# Altium PCB FMC_SDR_XFE.PcbDoc (part 3 of 4) (continued)
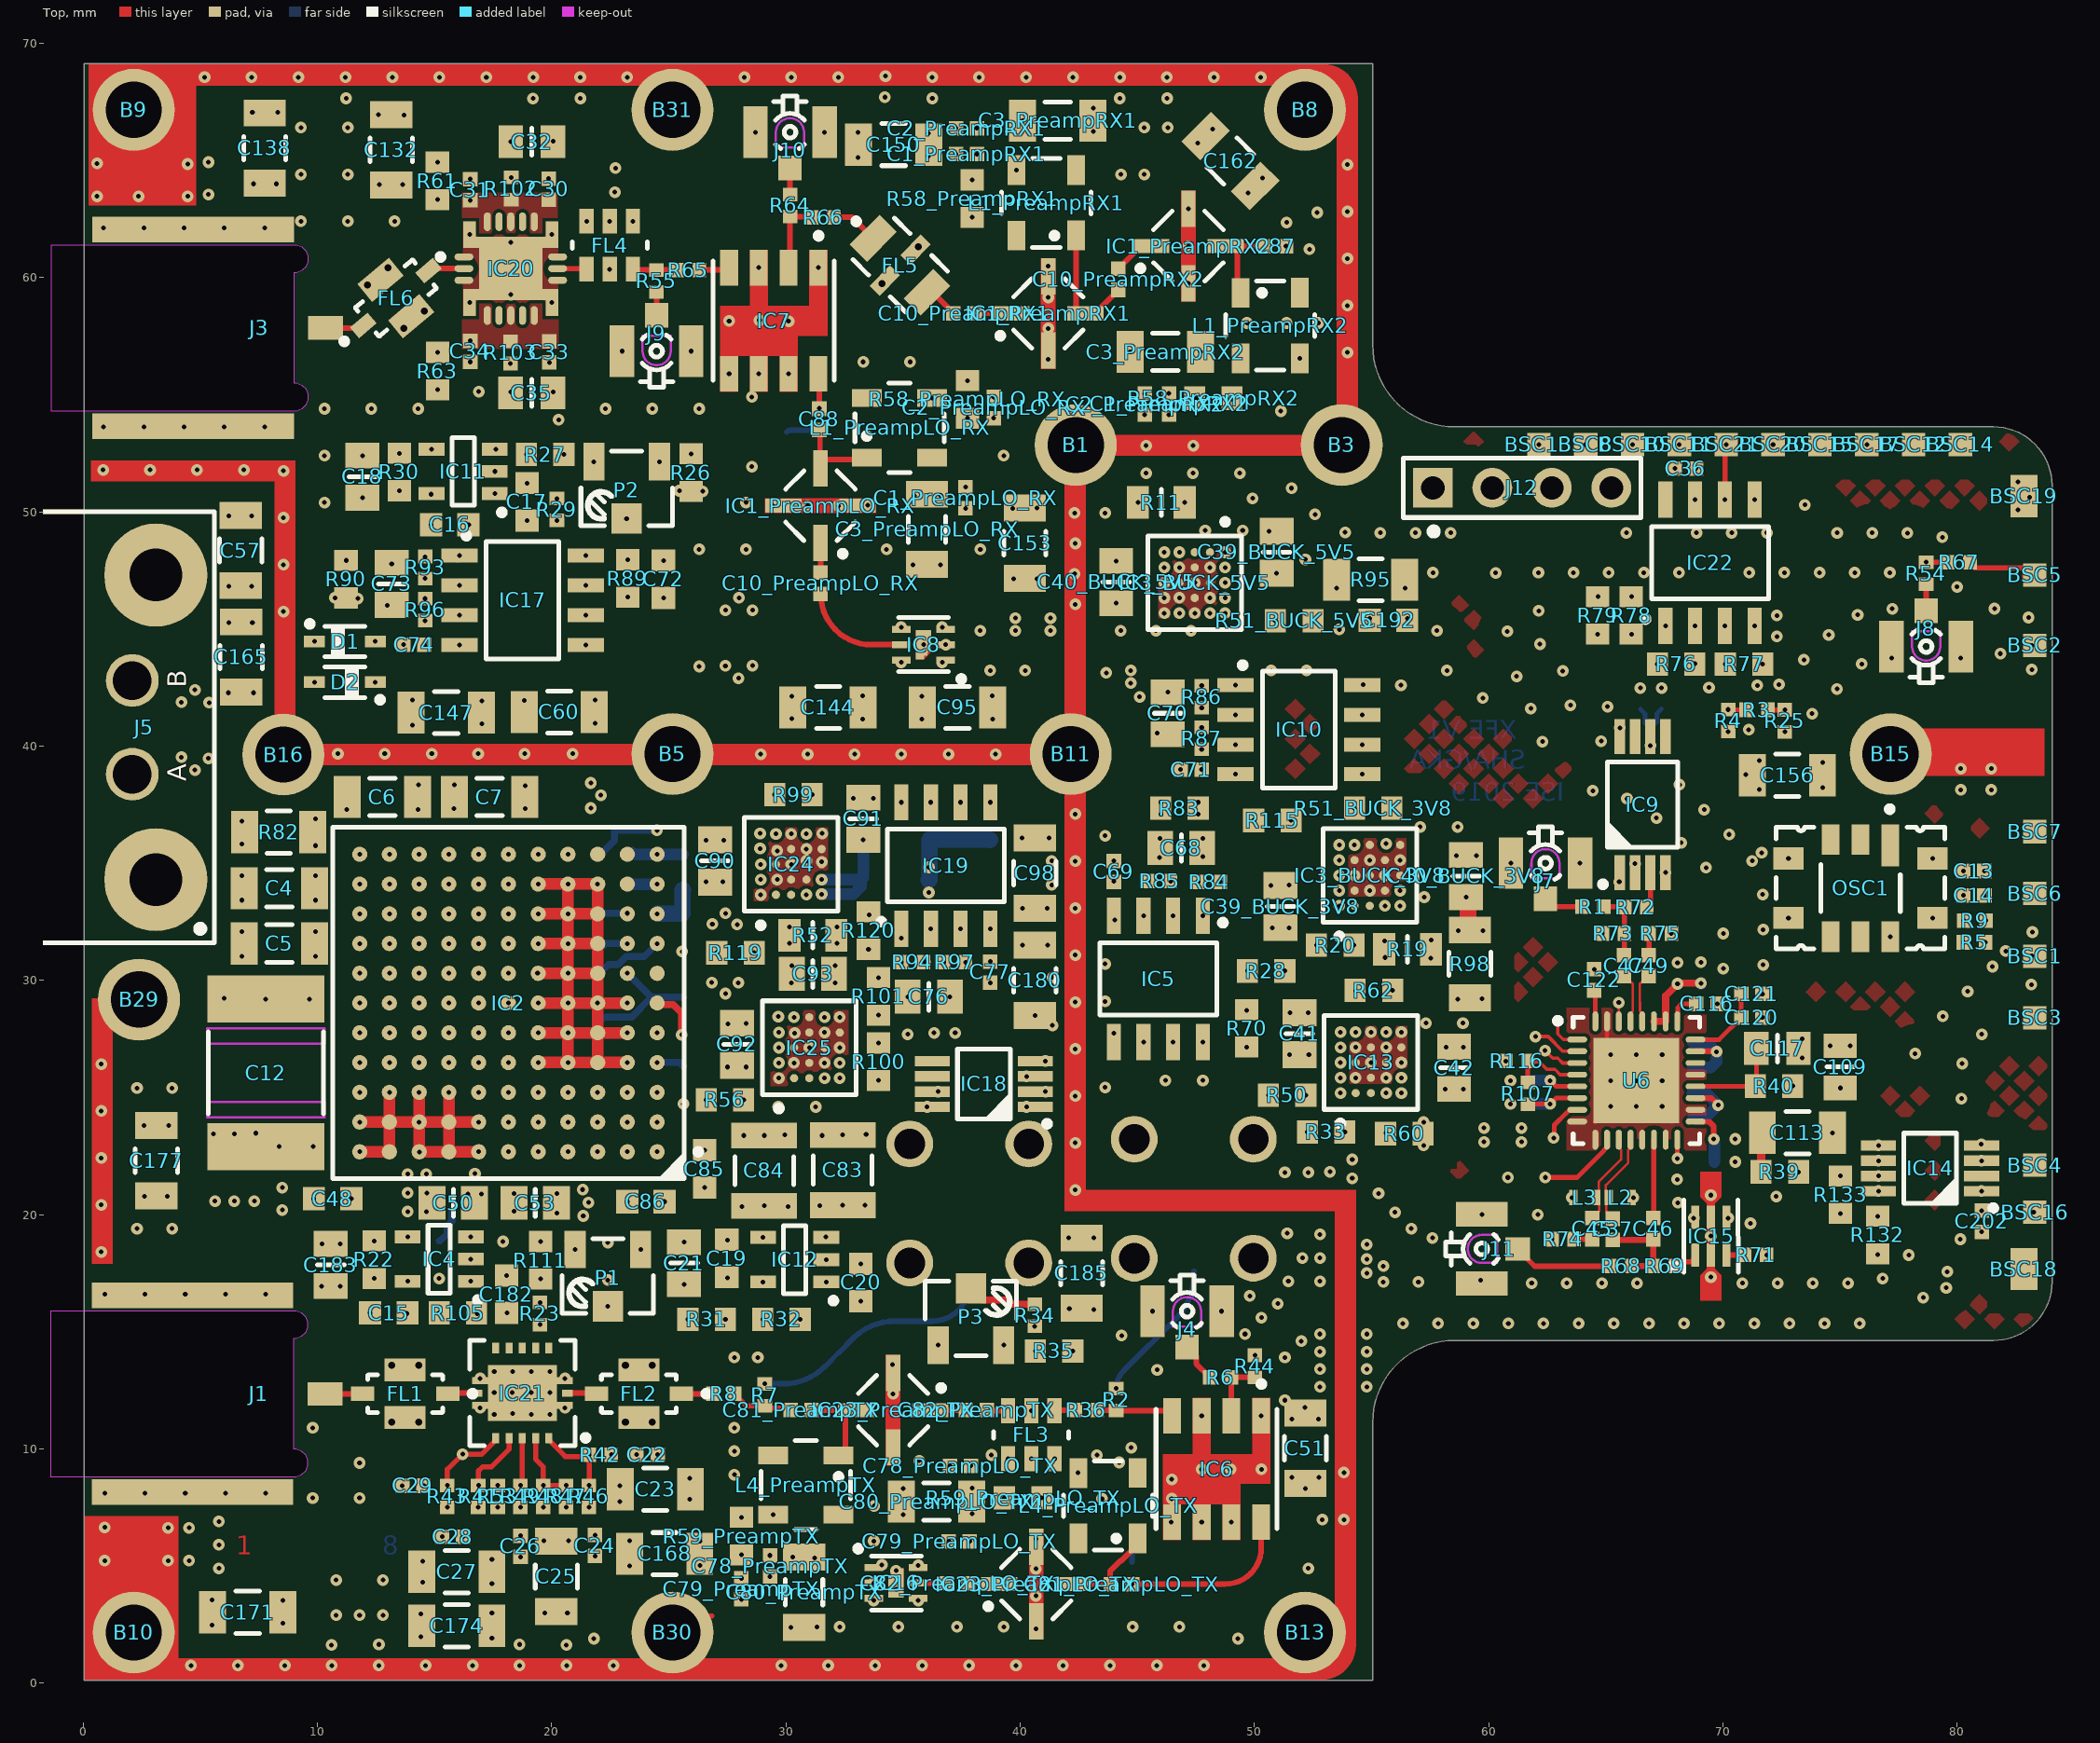
[diagram p0: Top view]
## Nets (pads, with @x,y where several pads share a name; then routed paths per layer and width w, separated by ;. In a path a pad name is that pad's centre, name@x,y a point inside that pad or via, vN(x,y) a via of type N, cw(c..) or ccw(c..) an arc to the next point about the centre after c; other vN are vias at no path point) (continued)
NetJ6_1: J6.1 R7.1 | length 10.9
  Bottom w0.24: v1(29.1,12.775) 29.873,12.775 ccw(c29.873,15.315) 31.669,13.519 32.243,14.093 ; 32.244,14.094 32.856,14.706 cw(c34.652,12.91) 32.993,14.833 cw(c34.652,12.91) 34.652,15.45 36.25,15.45 ccw(c36.25,17.025) 37.825,17.025 J6.1@37.825,17.375
NetJ7_1: J7.1 R1.1 | length 1.7
  Top w0.22: J7.1@62.425,33.475 62.753,33.147 R1.1@63.978,33.147
NetJ8_1: J8.1 R54.1 | length 1.1
  Top w0.22: J8.1@78.675,45.775 R54.1@78.675,46.905
NetJ9_1: J9.1 R55.1 | length 1
  Top w0.24: J9.1@24.481,58.382 R55.1@24.481,59.387
NetJ10_1: J10.1 R64.1 | length 1.1
  Top w0.24: R64.1@30.175,63.55 J10.1@30.175,64.679
NetJ11_1: J11.1 R68.1 | length 4.3
  Top w0.22: J11.1@61.233,18.536 61.969,17.8 ; R68.1@65.18,17.81 R68.1@65.18,17.82
  Top w0.24: 61.969,17.8 R68.1@65.18,17.8
NetJ13_1: J13.1 R104.1 | length 1.4
  Bottom w0.24: J13.1@30.025,53.4 cw(c30.218,53.207) 30.218,53.48 R104.1@31.425,53.48
NetJ14_1: J14.1 R106.1 | length 0.9
  Bottom w0.24: R106.1@44.775,5.17 J14.1@44.775,6.025
NetL1_PreampLO_RX_3: L1_PreampLO_RX.3 R58_PreampLO_RX.1 | length 1.8
  Int2 [shielded signals] w0.3: v1(36.247,54.856) 36.99,55.6 v1(37.75,55.6)
NetL1_PreampRX1_3: L1_PreampRX1.3 R58_PreampRX1.1 | length 2.8
  Int2 [shielded signals] w0.7: v1(37.958,62.57) v1(39.844,64.581)
NetL1_PreampRX2_3: L1_PreampRX2.3 R58_PreampRX2.1 | length 3.5
  Top w0.22: v1(49.05,54.825) 49.098,54.825 R58_PreampRX2.1@49.138,54.865
  Int5 [signals] w0.7: v1(49.05,54.825) v1(51.945,56.556)
NetL4_PreampLO_TX_3: L4_PreampLO_TX.3 R59_PreampLO_TX.1 | length 2
  Int2 [shielded signals] w0.7: v1(40.925,7.9) 41.4,7.9 v1(42.475,8.975)
NetL4_PreampTX_3: L4_PreampTX.3 R59_PreampTX.1 | length 1.5
  Top w0.3: v1(28.1,7.075) R59_PreampTX.1@28.18,7.155
  Int2 [shielded signals] w0.7: v1(28.1,7.075) v1@29.454,7.153
  other v1: 29.452,7.185
NetOSC1_8: OSC1.8 R5.2 R9.1 | length 4.2
  Int2 [shielded signals] w0.3: v1(77.142,31.86) 77.196,31.86 77.433,31.623 v1(80.268,31.623) 80.278,31.633 80.278,32.538 v1(80.288,32.548)
NetP1_2: P1.2 R23.2 | length 6.9
  Top w0.3: P1.2@22.07,15.755 v1(22.4,16.085)
  Int2 [shielded signals] w0.3: v1(19.5,15.305) 21.62,15.305 v1(22.4,16.085)
  Int5 [signals] w0.3: v1(19.5,15.305) 21.62,15.305 v1(22.4,16.085)
NetP2_2: P2.2 R29.2 | length 3
  Int2 [shielded signals] w0.3: v1(20.225,49.63) v1(23.2,49.71)
NetP3_2: P3.2 R34.2 | length 3
  Top w0.3: P3.2@37.9,16.855 38.4,16.355 39.39,16.355 39.575,16.17 R34.2@40.625,16.17
NetR107_2: R107.2 R116.2 U6.4 | length 3.2
  Top w0.15: R116.2@61.75,26.525 62.148,26.525 62.476,26.197 62.826,26.197 63.051,25.972 U6.4@63.78,25.972
  Top w0.2: R116.2@61.67,26.55 61.67,25.65 R107.2@61.675,25.645
NetR109_1: R109.1 R110.1 R111.2 | length 6.1
  Int2 [shielded signals] w0.4: v2(15.2,17.275) 15.925,16.55 18.074,16.55 18.79,17.266 18.79,18.115 v2(19.525,18.85)
PA_5V: C78_PreampLO_TX.2 C78_PreampTX.2 C79_PreampLO_TX.2 C79_PreampTX.2 C80_PreampLO_TX.2 C80_PreampTX.2 C203.2 IC18.1 R59_PreampLO_TX.2 R59_PreampTX.2 R92.2 | length 0.6
  Top w0.3: R59_PreampTX.2@28.1,5.475 v1(28.101,5.474) ; C80_PreampTX.2@30.675,5.475 30.8,5.35 v1(31.232,5.35)
  other v1: 28.101,4.475 30.297,5.372 29.325,5.45 37.85,6.05 37.95,7.225 39.325,7.9 37.95,8.317 37.9,9.275 40.275,24.6 35.2,27.7 36.325,27.76
PA_GND: C4.1 C5.1 C6.1 C7.1 C8.1 C9.1 C12.1 C20.1 C21.1 C22.1 C23.1 C24.1 C25.1 C26.1 C27.1 C28.1 C29.1 C38.2 C48.1 C50.1 C51.2 C52.2 C53.1 C54.2 C55.2 C56.2 C57.2 C58.2 C59.2 C60.2 C63.2 C64.2 C65.2 C75.1 C76.1 C78_PreampLO_TX.1 C78_PreampTX.1 C79_PreampLO_TX.1 C79_PreampTX.1 C80_PreampLO_TX.1 C80_PreampTX.1 C83.1 C84.1 C85.1 C86.1 C90.1 C91.1 C92.1 C93.2 C95.2 C98.2 C161.1 C163.1 C164.1 C165.1 C166.1 C167.1 C168.1 C169.1 C170.1 C171.1 C172.1 C173.1 C174.1 C175.1 C176.1 C177.1 C178.1 C179.1 C180.1 C181.1 C182.1 C183.1 C184.1 C185.1 C186.1 C187.1 C189.1 C190.1 C193.1 C194.1 C196.1 C203.1 C218.1 C219.1 D1.1 D2.2 FL1.2 FL1.4 FL2.2 FL2.4 FL3.2 FL3.4 FL3.5 FL3.6 IC2.A7 IC2.A8 IC2.A9 IC2.A10 IC2.A11 IC2.B7 IC2.B8 IC2.B9 IC2.B10 IC2.B11 IC2.C7 IC2.C8 IC2.C9 IC2.C10 IC2.C11 IC2.D2 IC2.D3 IC2.D4 IC2.D5 IC2.D6 IC2.D7 IC2.D8 IC2.D9 IC2.D10 IC2.D11 IC2.E1 IC2.E2 IC2.E3 IC2.E4 IC2.E5 IC2.E6 IC2.E7 IC2.E8 IC2.E9 IC2.E10 IC2.E11 IC2.F2 IC2.F3 IC2.F4 IC2.F5 IC2.F6 IC2.F7 IC2.F8 IC2.F9 IC2.G3 IC2.G4 IC2.G5 IC2.G6 IC2.G7 IC2.G8 IC2.G9 IC2.H3 IC2.H4 IC2.H5 IC2.H6 IC2.H7 IC2.H8 IC2.H9 IC2.J3 IC2.J4 IC2.J5 IC2.J6 IC2.J7 IC2.J8 IC2.J9 IC2.K3 IC2.K4 IC2.K5 IC2.K6 IC2.K7 IC2.K8 IC2.K9 IC2.L1 IC2.L5 IC2.L6 IC2.L7 IC2.L8 IC4.1 IC6.1 IC6.3 IC6.5 IC6.6 IC6.7 IC12.1 IC16.1 IC16.3 IC16.4 IC16.6 IC16.7 IC18.4 IC19.3 IC19.6 IC19.7 IC21.1 IC21.3 IC21.9 IC21.11 IC21.17 IC23_PreampLO_TX.2 IC23_PreampLO_TX.4 IC23_PreampTX.2 IC23_PreampTX.4 IC24.A1 IC24.A5 IC24.B2 IC24.B3 IC24.B4 IC24.C2 IC24.C3 IC24.C4 IC24.C5 IC24.D2 IC24.D3 IC24.D4 IC24.E3 IC24.E4 IC24.E5 IC25.E1 IC25.E2 IC26.9 J1.2 J2.2 J4.2 J5.B J5.M1 J5.M2 J6.2 J14.2 R14.1 R15.1 R16.1 R18.1 R23.1 R24.1 R34.1 R35.1 R45.2 R52.2 R97.1 R99.1 R111.1 R119.1 R142.2 | length 57
  Top w0.5: v1(11.805,22.68) IC2.A10@13.075,22.68 IC2.B10@13.075,23.95 ; v1(11.805,23.95) IC2.B10@13.075,23.95 ; v1(13.075,25.22) IC2.B10@13.075,23.95 ; v1(14.345,25.22) v1(14.345,23.95) ; v1(15.615,25.22) IC2.B8@15.615,23.95 ; v1(16.885,22.68) IC2.A8@15.615,22.68 ; v1(16.885,23.95) IC2.B8@15.615,23.95 ; v1(19.425,26.49) v1(20.695,26.49) ; v1(19.425,27.76) v1(20.695,27.76) ; v1(19.425,29.03) v1(20.695,29.03) ; IC2.G5@19.425,30.3 v1(20.695,30.3) ; v1(19.425,31.57) v1(20.695,31.57) ; v1(19.425,32.84) v1(20.695,32.84) ; v1(19.425,34.11) v1(20.695,34.11) ; v1(23.235,26.49) IC2.D3@21.965,26.49 ; v1(23.235,27.76) IC2.E3@21.965,27.76 ; v1(23.235,29.03) v1(21.965,29.03) ; IC2.B10@13.075,23.95 v1(14.345,23.95) ; v1(14.345,23.95) IC2.B8@15.615,23.95 ; v1(14.345,23.95) 14.35,23.945 v1(14.35,22.675) IC2.A9@14.345,22.68 IC2.A8@15.615,22.68 ; IC2.A8@15.615,22.68 IC2.B8@15.615,23.95 ; v1(20.695,26.49) IC2.D3@21.965,26.49 ; v1(20.695,26.49) v1(20.695,27.76) ; v1(20.695,27.76) IC2.E3@21.965,27.76 ; v1(20.695,27.76) v1(20.695,29.03) ; v1(20.695,29.03) v1(21.965,29.03) ; v1(20.695,29.03) v1(20.695,30.3) ; v1(20.695,30.3) IC2.G3@21.965,30.3 ; v1(20.695,30.3) v1(20.695,31.57) ; v1(20.695,31.57) IC2.H3@21.965,31.57 ; v1(20.695,31.57) v1(20.695,32.84) ; v1(20.695,32.84) v1(20.695,34.11) ; v1(20.695,32.84) IC2.J3@21.965,32.84 ; v1(20.695,34.11) v1(21.965,34.11) IC2.J3@21.965,32.84 ; IC2.D3@21.965,26.49 IC2.E3@21.965,27.76 ; IC2.E3@21.965,27.76 v1(21.965,29.03) ; v1(21.965,29.03) IC2.G3@21.965,30.3 ; IC2.G3@21.965,30.3 IC2.H3@21.965,31.57 ; IC2.H3@21.965,31.57 IC2.J3@21.965,32.84
  Bottom w0.3: v1(6.225,45.275) v1@6.225,45.327 ; C8.1@23.45,35.55 C8.1@23.62,35.38 ; R15.1@25.6,35.38 R15.1@25.6,35.465
  Bottom w0.5: v1(20.695,26.49) 21.89,26.49 R18.1@21.925,26.525 ; C8.1@23.62,35.38 v1(24.505,35.38) R15.1@25.6,35.38
  other v1: 10.6,1.625 12.625,1.65 18.625,1.65 20.625,1.625 21.8,1.9 49.3,1.9 14.425,1.975 40.675,2.325 30.222,2.375 31.322,2.393 32.3,2.4 34.8,2.4 37.3,2.4 39.3,2.4 44.8,2.4 46.8,2.4 8.525,2.55 10.8,2.9 11.8,2.9 12.8,2.9 14.425,2.948 19.7,3 20.673,3 8.525,3.523 33.75,3.525 35.65,3.525 28.101,3.575 40.675,3.725 34.7,4 14.5,4.3 10.8,4.4 12.8,4.4 29.325,4.55 34.7,4.8 40.675,4.875 5.8,4.9 52.3,4.9 26.325,5.025 35.65,5.025 34.1,5.05 14.5,5.2 4.525,5.225 18.673,5.39 21.85,5.425 5.8,5.9 26.325,6.061 33.755,6.061 36.95,6.05 40.675,6.15 15.323,6.25 4.525,6.625 46.455,6.875 47.75,6.875 49.02,6.875 5.8,6.9 52.9,6.975 35,7.2 33.766,7.561 25.902,7.844 9.8,7.9 11.8,7.9 0.925,8.1 2.642,8.1 4.36,8.1 6.077,8.1 7.794,8.1 35,8.305 13.625,8.425 46.475,8.7 25.902,8.744 27.8,8.9 47.75,9.125 48.975,9.125 50.3,9.125 37,9.275 11.8,9.4 44.228,9.418 35.692,9.493 39.485,9.575 40.475,9.575 41.465,9.575 24.525,9.75 38.775,9.737 43.275,9.735 27.8,9.9 44.742,10.051 27.8,10.9 51.6,11.275 52.725,11.275 47.75,11.405 50.29,11.405 17.55,11.475 19.133,11.475 19.925,11.475 18.342,11.5 40.475,11.625 16.947,11.754 20.572,11.754 52.15,11.775 51.3,12.075 34.575,12.35 17.55,12.4 18.325,12.4 19.133,12.4 19.925,12.4 52.8,12.65 16.947,13.004 20.572,13.004 17.55,13.3 18.342,13.3 19.133,13.3 19.925,13.3 45.85,13.375 52.8,13.4 34.55,13.6 27.8,13.9 28.8,13.9 51.3,13.9 52.8,14.15 42.25,14.175 52,14.6 44.333,14.837 49.6,14.9 52.8,14.9 40.625,15.23 50.3,15.6 18.1,15.8 45.65,15.875 48.6,15.875 43.15,15.95 42.1,15.975 51,16.2 19.5,16.245 33.2,16.3 49.8,16.525 0.925,16.6 2.642,16.6 4.36,16.6 6.077,16.6 7.794,16.6 31.725,17.125 16.55,17.15 51.45,17.15 52.8,17.15 22.4,17.2 52.05,18.15 52.8,18.15 10.2,18.75 25.65,18.825 52.8,19.15 51.4,19.2 2.3,19.4 3.8,19.4 28.125,20.35 30.098,20.35 29.076,20.375 31.449,20.375 32.425,20.4 33.375,20.4 24.825,20.55 2.627,20.775 3.6,20.775 51.3,21.8 52.3,21.8 53.225,21.825 26.525,22.75 11.805,25.22 16.885,25.22 2.3,25.4 3.8,25.4 32.3,25.825 27.5,26.3 28.3,26.3 11.805,26.49 13.075,26.49 14.345,26.49 15.615,26.49 16.885,26.49 18.155,26.49 32.3,26.475 41.075,26.55 11.805,27.76 13.075,27.76 14.345,27.76 15.615,27.76 16.885,27.76 18.155,27.76 24.505,27.76 37.225,27.76 41.375,28.075 40.63,28.5 14.345,29.03 15.615,29.03 16.885,29.03 18.155,29.03 7.8,29.2 9.654,29.2 6.025,29.225 37,29.3 30.236,29.9 41.375,30.125 14.345,30.3 15.615,30.3 16.885,30.3 18.155,30.3 19.4,30.3 30.249,30.625 37.67,30.775 6.775,31.025 14.345,31.57 15.615,31.57 16.885,31.57 18.155,31.57 32.175,31.575 6.775,32.075 37.46,32.2 32.175,32.275 14.345,32.84 15.615,32.84 16.885,32.84 18.155,32.84 6.775,33.422 28.925,33.65 41.35,34.075 14.345,34.11 15.615,34.11 16.885,34.11 18.155,34.11 29.63,34.304 6.775,34.472 30.225,34.953 31.53,35.054 41.35,35.1 30.88,35.104 15.615,35.38 16.885,35.38 18.155,35.38 19.425,35.38 29.63,35.529 30.875,35.603 26.6,35.986 27.343,35.986 40.075,36.075 41.225,36.075 30.225,36.25 28.9,36.275 31.55,36.275 14.293,37.3 15.825,37.325 36.19,37.6 37.45,37.6 32.875,37.775 33.725,37.775 31.125,37.925 14.325,38.35 15.85,38.35 35.809,41.152 18.825,41.95 35.809,42.125 9.875,42.725 9.875,44.465 7.225,45.275 6.227,49.825 7.2,49.825
  other v2: 43.5,7.875 46.475,7.875 19.525,17.25 10.975,18.75 20.225,20.054 13.85,20.125 14.65,20.125 9.85,20.675 13.85,20.925 14.675,20.925 20.225,20.904 13.85,21.725 14.65,21.725
  other v3: 27.05,31.175
  other v4: 13.173,11.142 14.323,11.142 23.15,11.142 24.3,11.142 13.173,13.562 14.323,13.562 23.15,13.562 24.3,13.562
PA_PS_5V5: C75.2 C92.2 IC25.A3 IC25.A4 R56.2 R80.2 R91.1 | length 6
  Int6 [PWR] w0.5: 28.757,27.129 v1@29.707,27.129 ; 28.965,27.779 v1@29.707,27.779
  Bottom w0.7: R80.2@36.1,34.275 36.125,34.3 36.125,36 C75.2@36.15,36.025 36.163,36.012 38.713,36.012 R91.1@38.725,36
  other v1: 26.6,24.9 29.7,27.125 29.7,27.775 27.525,28.141 28.3,28.163 36.1,33.75 36.1,34.825
PA_PS_IN: C4.2 C5.2 C6.2 C7.2 IC2.F10 IC2.F11 IC2.G10 IC2.G11 IC2.H10 IC2.H11 IC2.J10 IC2.J11 IC2.K10 IC2.K11 IC2.L9 IC2.L10 IC2.L11 R81.2 R82.2
  other v1: 11.805,29.03 13.075,29.03 11.805,30.3 13.075,30.3 9.918,31.025 11.805,31.57 13.075,31.57 9.918,32.075 11.805,32.84 13.075,32.84 9.918,33.422 11.805,34.11 13.08,34.1 9.918,34.472 11.805,35.38 13.08,35.375 14.345,35.38 9.918,35.75 9.918,36.9 11.25,37.3 18.873,37.325 18.875,38.3
PA_VG3: IC21.15 R31.2 R47.2 R48.2 | length 16
  Top w0.22: IC21.15@19.314,10.452 19.314,9.561 19.646,9.229 v1(19.646,8.441) v1(20.621,8.441)
  Int2 [shielded signals] w0.5: v1(19.646,8.441) v1(20.621,8.441) 20.676,8.441 21.33,9.095 24.789,9.095 26.575,10.881 26.575,14.772 v1(25.818,15.53)
PA_VG12: IC21.16 R42.2 R46.2 R105.2 | length 14.3
  Top w0.22: IC21.16@19.88,10.452 19.88,10.377 20.582,9.675 ; 20.575,9.675 20.582,9.675 ; v1(21.595,8.441) 21.6,8.446 21.6,9.375 ; v1(21.6,9.745) R42.2@21.603,9.748 ; 21.603,9.375 R42.2@21.603,9.675 ; R42.2@21.605,9.75 R42.2@21.603,9.748 ; 20.582,9.675 20.8,9.675 R42.2@21.603,9.675 ; R42.2@21.603,9.675 R42.2@21.603,9.748
  Int5 [signals] w0.5: v1(15.197,15.8) 16.378,14.62 18.657,14.62 19.2,14.077 20.562,14.077 21.6,13.039 v1(21.6,9.745)
PLLout_N: C37.1 L2.1 U6.12 | length 4.1
  Top w0.106: L2.1@65,20.604 65,21.262 65.958,22.22 65.958,22.763 66.055,22.86 U6.12@66.055,23.197 ; L2.1@65.135,20.729 65.01,20.604 65.033,20.581 65.021,20.568 65.021,20.144 65.043,20.122 65.043,20.082 C37.1@65.3,19.825
PLLout_P: C45.1 L3.1 U6.11 | length 4.1
  Top w0.106: C45.1@64.425,19.85 64.715,20.14 64.715,20.371 64.707,20.379 64.707,20.602 L3.1@64.694,20.614 ; L3.1@64.58,20.729 L3.1@64.694,20.614 ; U6.11@65.555,23.197 65.555,22.86 65.652,22.763 65.652,22.347 64.694,21.389 L3.1@64.694,20.614
REF_OUT: BSC2.1 R3.2 R25.2 | length 12.5
  Top w0.22: R3.2@71.923,41.547 v1(72.644,41.547)
  Int2 [shielded signals] w0.17: v1(72.644,41.547) 75.529,44.431 82.966,44.431 83.097,44.3 v1(83.187,44.3)
REFIN_N: C49.2 U6.28 | length 2.2
  Top w0.106: U6.28@66.555,28.247 66.555,28.584 66.458,28.681 66.458,29.054 66.453,29.059 66.453,29.856 66.515,29.918 66.568,29.918 C49.2@66.825,30.175
REFIN_P: C47.2 U6.29 | length 2.2
  Top w0.106: C47.2@65.775,30.175 66.032,29.918 66.085,29.918 66.147,29.856 66.147,28.932 66.152,28.927 66.152,28.681 66.055,28.584 U6.29@66.055,28.247
RX_OUT: C87.2 R54.2 R67.1 | length 40.9
  Top w0.22: v1(78.67,47.85) R54.2@78.673,47.847 ; R54.2@78.675,47.845 R54.2@78.673,47.847 ; R67.1@79.605,47.85 79.603,47.847 R54.2@78.673,47.847
  Int2 [shielded signals] w0.17: v1@51.35,61.278 v1(51.35,61.342) 51.279,61.271 ccw(c53.075,59.475) 50.535,59.475 50.535,51.799 ccw(c53.075,51.799) 51.279,50.003 52.284,48.998 ccw(c54.08,50.794) 53.843,48.265 ccw(c54.08,50.794) 54.08,48.254 77.694,48.254 cw(c77.694,46.874) v1(78.67,47.85)
SH: B1.1 B3.1 B5.1 B8.1 B9.1 B10.1 B11.1 B13.1 B15.1 B16.1 B29.1 B30.1 B31.1 C130.2 C131.2 C132.2 C133.2 C134.2 C136.2 C137.2 C138.2 C139.2 C140.2 C142.2 C143.2 C144.2 C145.2 C146.2 C147.2 C148.2 C149.2 C150.2 C151.2 C152.2 C153.2 C154.2 C155.2 C156.2 C158.2 C160.2 C161.2 C162.2 C163.2 C164.2 C165.2 C166.2 C167.2 C168.2 C169.2 C170.2 C171.2 C172.2 C173.2 C174.2 C175.2 C176.2 C177.2 C178.2 C179.2 C180.2 C181.2 C184.2 C185.2 C186.2 C187.2 C189.2 C190.2 C193.2 C194.2 C196.2 C198.2 C199.2 C204.2 C205.2 C206.2 C207.2 C208.2 C209.2 C210.2 C211.2 C212.2 C213.2 C214.2 C215.2 C216.2 C217.2 C218.2 C219.2 | length 2
  Top w0.22: B30.1@25.734,2.869 26.834,2.869
  Top w1: C132.2@12.92,66.95 C132.2@13.15,66.95
  Int2 [shielded signals] w1: v1(40.1,31.5) 40.693,31.5
  Bottom w0.3: v1(32.934,39.65) v1@32.947,39.638 ; C164.2@33.913,39.638 C164.2@33.925,39.625
  other v1: 4.6,0.75 6.605,0.75 8.609,0.75 10.614,0.75 12.618,0.75 14.623,0.75 16.627,0.75 18.632,0.75 20.636,0.75 22.641,0.75 29.8,0.75 31.805,0.75 33.809,0.75 35.814,0.75 37.818,0.75 39.823,0.75 41.827,0.75 43.832,0.75 45.836,0.75 47.841,0.75 17.45,1.925 5.5,2.475 17.45,3 5.5,3.55 23.325,5 0.925,5.225 3.625,5.225 23.325,6.075 3.625,6.625 0.925,6.65 53.825,6.98 53.825,8.984 0.775,18.409 42.075,19 43.15,19 0.775,20.414 42.35,21.055 0.775,22.418 42.35,23.059 2.6,23.8 3.65,23.8 0.775,24.423 42.35,25.064 0.775,26.427 42.35,27.068 42.35,29.073 42.35,31.077 41.175,31.5 42.35,33.082 42.35,35.086 42.35,37.1 74.25,38.225 80.154,39.036 81.454,39.036 74.25,39.3 28.925,39.65 30.93,39.65 34.925,39.65 36.943,39.65 38.948,39.65 10.875,39.675 12.875,39.675 14.884,39.675 16.864,39.675 18.85,39.675 20.898,39.675 14.05,40.9 33.275,41.15 14.05,41.975 33.275,42.15 6.2,42.275 7.275,42.275 8.55,45.739 42.35,46.05 42.325,47.35 8.55,47.743 42.35,48.65 8.55,49.748 42.325,49.95 39.675,50.15 40.725,50.161 8.55,51.75 0.852,51.787 2.857,51.787 4.861,51.787 6.866,51.787 45.38,52.825 47.384,52.825 53.975,56.802 53.975,58.8 53.975,60.811 53.975,62.816 0.597,63.47 2.362,63.47 4.462,63.47 4.462,64.845 53.975,64.82 0.597,64.87 33.075,65.125 47.575,65.741 33.075,66.2 48.225,66.341 12.6,66.953 13.704,66.93 7.225,67.05 8.3,67.05 5.184,68.55 7.189,68.55 9.193,68.55 11.198,68.55 13.202,68.55 15.207,68.55 17.211,68.55 19.216,68.55 21.22,68.55 23.225,68.55 28.225,68.55 30.23,68.55 32.234,68.55 36.243,68.55 38.248,68.55 40.252,68.55 42.257,68.55 44.261,68.55 46.266,68.55 48.27,68.55 50.275,68.55 34.25,68.6
TX_IN: IC6.2 R6.2 R44.1 | length 2.6
  Top w0.22: R44.1@50.023,13.053 R44.1@50.025,13.055
  Top w0.24: IC6.2@49.02,11.405 R6.2@49.02,13.05 ; R6.2@49.023,13.053 R44.1@50.023,13.053
TX_NSHDN: BSC16.1 IC14.3 | length 3.7
  Top w0.3: v1(81.04,22.299) IC14.3@81.626,22.299
  Int2 [shielded signals] w0.3: v1(81.04,22.299) 81.051,22.299 83.25,20.1 v1(83.262,20.1)
TX_NSHDN_ISO: IC18.2 R57.1 R150.1 | length 45.6
  Int5 [signals] w0.3: v1(24.5,36.4) 26.236,36.4 28.311,38.475 38.758,38.475 40.675,36.558 40.675,34.428 39.55,33.303 39.55,32.847 40.222,32.175 41.375,32.175 41.725,31.825 41.725,31.128 41.337,30.74 40.805,30.74 39.725,29.66 39.725,25.986 ; v1(31.275,24.6) 33.936,24.6 35.321,25.986 39.725,25.986 ; v1(41.08,25.253) 40.144,25.253 39.725,25.672 39.725,25.986
  Bottom w0.3: R150.1@22.1,35.35 22.1,35.4 22.675,35.975 22.675,36.4 v1(24.5,36.4) ; v1(31.275,24.6) R57.1@31.325,24.6
TX_NSHDND_N: IC14.5 IC18.8 | length 45.4
  Int5 [signals] w0.2: v1(36.025,24.6) 40.925,19.7 55.129,19.7 56.733,18.096 70.849,18.096 73.515,20.763 73.515,20.847 75.618,22.949 v1(76.64,22.949)
TX_NSHDND_P: IC14.6 IC18.7 | length 46.9
  Int5 [signals] w0.2: v1(36.5,25.25) 39.06,22.69 39.06,22.552 41.562,20.05 55.335,20.05 56.938,18.446 70.704,18.446 73.165,20.908 73.165,20.992 75.623,23.449 76.847,23.449 77.14,23.157 77.14,22.742 76.697,22.299 v1(76.64,22.299)
VCO_Vtune: BSC14.1
Vdet: BSC21.1 IC22.5 IC22.6 | length 3.6
  Top w0.22: v1(70.085,50.525) 70.085,52.817 v1(70.14,52.872)
  Int2 [shielded signals] w0.22: v1(70.085,50.525) v1(71.355,50.525)
pads on no net: BSC3.1 BSC4.1 BSC6.1 BSC7.1 IC2.G1 IC2.K2 IC2.L2 IC2.L3 IC3_BUCK_3V8.B1 IC3_BUCK_3V8.C1 IC3_BUCK_5V5.B1 IC3_BUCK_5V5.C1 IC9.5 IC9.7 IC13.B1 IC13.C1 IC14.2 IC18.5 IC18.6 IC20.5 IC20.7 IC20.13 IC20.15 IC21.4 IC21.5 IC21.6 IC21.7 IC21.8 IC22.8 IC24.B1 IC24.C1 IC25.B1 IC25.C1 IC26.6 L1_PreampLO_RX.2 L1_PreampLO_RX.4 L1_PreampRX1.2 L1_PreampRX1.4 L1_PreampRX2.2 L1_PreampRX2.4 L4_PreampLO_TX.2 L4_PreampLO_TX.4 L4_PreampTX.2 L4_PreampTX.4 OSC1.1 OSC1.2 OSC1.3 OSC1.6 OSC1.7 U6.22
copper on no net:
  other v1: 9.8,10.9 72.3,44.675 72.3,45.575 45.38,51.65

## Polygon pours and split planes (outlines as drawn)
no net on Top "balancingB" (solid, pour order 1943): 47.75,0.125 55.05,0.125 55.05,11.1 cw(c58.562,11.113) 58.549,14.625 81.684,14.625 ccw(c81.566,17.109) 84.05,17.227 84.05,51.004 ccw(c81.556,51.133) 81.684,53.626 58.597,53.625 cw(c58.559,57.133) 55.051,57.095 55.05,69.125 47.75,69.125
GND on Top "GND_L01_P1723" (solid, pour order 1723): 69.305,22.747 63.325,22.747 63.325,28.822 69.305,28.822
PA_GND on Top "PA_GND_L01_P1722" (solid, pour order 1722): 28.625,33.375 31.8,33.375 31.8,36.525 28.625,36.525
GND on Top "GND_L01_P1847" (solid, pour order 1847): 16.225,62.4 16.225,58.35 20.275,58.35 20.275,62.4
NetC30_2 on Top "NETC30_2_L01_P1725" (solid, pour order 1725): 16.181,61.257 20.256,61.257 20.256,63.625 16.181,63.625
NetC33_2 on Top "NETC33_2_L01_P1724" (solid, pour order 1724): 20.301,56.95 20.301,59.507 16.181,59.507 16.181,56.95
FE_PA_-5V on Top "FE_PA_-5V_L01_P1726" (solid, pour order 1726): 29.35,25.486 32.675,25.486 32.675,28.725 29.35,28.725
GND on Top "GND_L01_P1845" (solid, pour order 1845): 45.9,45.45 49,45.45 49,48.525 45.9,48.525
FE_-5V on Top "FE_-5V_L01_P1727" (solid, pour order 1727): 56.525,25.579 56.525,28.05 54.06,28.05 54.06,25.579
GND on Top "GND_L01_P1729" (solid, pour order 1729): 54.025,36.075 54.025,33.575 56.475,33.575 56.475,36.075
LNA_VG on Int6 [PWR] "LNA_VG_L07_P1737" (hatched 90Degree grid 0.5 track 0.3, pour order 1737): 73.185,45.342 73.185,44.552 72.906,44.273 68.919,44.273 66.565,46.627 54.939,46.627 51.14,50.425 13.94,50.425 13.94,56.782 54.202,56.782 58.659,52.325 66.202,52.325
FE_-5V on Int6 [PWR] "FE_-5V_L07_P1736" (hatched 90Degree grid 0.5 track 0.3, pour order 1736): 54.772,28.55 54.772,26.175 48.544,26.175 42.7,32.019 42.7,37.051 42.7,43.87 16.466,43.87 16.466,49.45 16.466,51.225 17.616,52.375 20.85,52.375 22.8,50.425 48.405,50.425 48.405,37.785 48.405,29.667 49.059,29.013 54.325,29.013 54.8,28.538
GND on Int6 [PWR] "GND_L07_P1883" (hatched 45Degree grid 0.5 track 0.3, pour order 1883): 0.05,69.125 0.05,0.125 55.05,0.125 55.053,11.128 cw(c58.545,11.128) 58.545,14.621 81.549,14.625 ccw(c81.568,17.106) 84.049,17.087 84.049,51.125 ccw(c81.575,51.153) 81.603,53.627 58.576,53.625 cw(c58.563,57.138) 55.05,57.131 55.05,69.126
FE_3V3 on Int6 [PWR] "FE_3V3_L07_P1744" (hatched 90Degree grid 0.5 track 0.3, pour order 1744): 65.2,52.4 65.2,34.1 68.2,31.1 70.824,31.1 70.824,17.697 82.588,17.697 82.588,40.636 70.824,52.4
PA_GND on Int6 [PWR] "PA_GND_L07_P1879" (hatched 45Degree grid 0.5 track 0.3, pour order 1879): 0.05,51.8 7.945,51.8 cw(c7.945,51.025) 8.72,51.025 8.72,40.322 ccw(c9.4,40.322) 9.4,39.642 42.4,39.642 42.4,25.105 51.158,25.105 cw(c51.158,22.565) 53.698,22.565 53.698,0.124 0.05,0.125
BUCKBOOST_OUT on Int6 [PWR] "BUCKBOOST_OUT_L07_P1843" (hatched 45Degree grid 0.5 track 0.3, pour order 1843): 5.326,19.063 8.156,19.063 20.889,31.795 27.894,31.795 29.3,33.201 29.3,34.632 19.033,34.632 5.326,20.925
PA_PS_5V5 on Int6 [PWR] "PA_PS_5V5_L07_P1735" (hatched 90Degree grid 0.5 track 0.3, pour order 1735): 25.983,24.55 25.983,29.708 31.55,35.275 36.73,35.275 36.73,32.115 32.499,32.115 29.2,28.816 29.2,26.121 27.629,24.55
BUCKBOOST_OUT on Int6 [PWR] "Int6 [PWR]-BUCKBOOST_OUT" (solid, pour order 1731): 27.313,34.2 28.185,35.072 28.185,35.659 28.514,35.988 29.217,35.988 29.335,35.87 29.335,33.236 29.3,33.201 28.312,33.201
FE_3V3_PLL on Int6 [PWR] "FE_3V3_PLL_L07_P1742" (hatched 90Degree grid 0.5 track 0.3, pour order 1742): 61.948,20.011 70.793,20.011 70.793,30.9 61.948,30.9
FE_3V3 on Int6 [PWR] "Int6 [PWR]-FE_3V3" (hatched 90Degree grid 0.5 track 0.3, pour order 1733): 59.298,29.383 59.298,21.489 60.325,20.462 61.965,20.462 61.965,29.383
FE_PA_VDD on Int6 [PWR] "Int6 [PWR]-FE_PA_VDD" (hatched 45Degree grid 0.5 track 0.3, pour order 1732): 18.627,6.9 19.225,7.498 19.225,9.076 18.601,9.7 16.967,9.7 15.792,10.875 15.792,18.131 16.487,18.825 21.525,18.825 22.375,19.675 22.375,21.191 21.816,21.75 16.874,21.75 14.913,19.789 12.026,19.789 11.675,19.438 11.675,9.179 13.954,6.9
NetC39_BUCK_3V8_2 on Int6 [PWR] "NETC39_BUCK_3V8_2_L07_P1740" (hatched 90Degree grid 0.5 track 0.3, pour order 1740): 54.802,31.05 54.802,33.183 57,35.381 57,41.4 57.306,41.4 58.394,42.488 58.275,42.607 58.275,47.677 57.677,48.275 54.907,48.275 54.24,47.608 54.24,45.554 50.467,41.781 50.467,33.613 53.03,31.05
PA_PS_IN on Int6 [PWR] "PA_PS_IN_L07_P1738" (hatched 90Degree grid 0.5 track 0.3, pour order 1738): 13.65,28.391 13.65,34.725 14.943,34.725 19.325,34.725 19.325,39.675 8.95,39.675 8.95,37.4 8.95,30.525 10.85,30.525 10.85,28.391
PA_GND on Int6 [PWR] "PA_GND_L07_P1739" (solid, pour order 1739): 28.656,15.7 28.655,11.302 51,11.302 51,24.116 34.25,24.116 34.25,15.7
FE_3V3 on Int6 [PWR] "FE_3V3_L07_P1734" (hatched 90Degree grid 0.5 track 0.3, pour order 1734): 65.766,35.937 59.349,35.943 54.561,31.155 52.577,31.155 52.577,31.234 50.361,33.45 50.361,35.579 50.881,36.1 51.775,36.1 52.214,36.539 52.214,37.154 51.763,37.605 49.497,37.605 48.338,36.446 48.338,30.971 50.595,28.713 61.939,28.713 64.381,31.155 68.589,31.155 68.589,35.937
FE_PA_-5V on Int6 [PWR] "FE_PA_-5V_L07_P1747" (hatched 90Degree grid 0.5 track 0.3, pour order 1747): 33.9,15.53 33.9,23.5 31.803,23.5 31.803,27.566 28.45,27.566 28.45,21.975 30.45,21.975 30.45,15.53
FE_PA_-5V on Int6 [PWR] "FE_PA_-5V_L07_P1728" (hatched 90Degree grid 0.5 track 0.3, pour order 1728): 33.509,33.257 34.386,33.257 34.386,24.988 29.281,24.988 29.281,26.655 30.032,26.655 30.032,28.086 29.287,28.086 29.287,29.044
FE_-5V on Int6 [PWR] "FE_-5V_L07_P1741" (hatched 90Degree grid 0.5 track 0.3, pour order 1741): 49.015,28.175 59.323,28.175 59.323,24.221 57.353,22.25 52.84,22.25 49.015,26.076
LNA_3V3 on Int6 [PWR] "LNA_3V3_L07_P1877" (hatched 90Degree grid 0.5 track 0.3, pour order 1877): 16.075,67.5 16.075,45.391 9.75,45.391 9.75,67.5
FE_PA_-5V on Int6 [PWR] "FE_PA_-5V_L07_P1841" (hatched 90Degree grid 0.5 track 0.3, pour order 1841): 33.91,15.854 33.91,15.525 15.9,15.525 15.9,18.625 30.64,18.625
EXTERNAL_PS on Int6 [PWR] "EXTERNAL_PS_L07_P1743" (hatched 90Degree grid 0.5 track 0.3, pour order 1743): 5.575,34.776 8,34.776 8,40.7 0.421,40.7 0.421,36.75 4.6,36.75 5.575,35.775
GND on Int1 [GND] "GND_L02_P1865" (hatched 45Degree grid 0.5 track 0.3, pour order 1865): 0.05,0.125 55.05,0.125 55.051,11.052 cw(c58.582,11.089) 58.544,14.62 81.57,14.62 ccw(c81.557,17.112) 84.049,17.125 84.05,51.106 ccw(c81.569,51.146) 81.609,53.626 58.307,53.629 cw(c58.565,57.144) 55.05,57.402 55.05,69.125 0.05,69.125
PA_GND on Int1 [GND] "PA_GND_L02_P1769" (hatched 90Degree grid 0.5 track 0.3, pour order 1769): 0.077,0.124 52.75,0.124 52.75,25.105 39.55,25.105 39.55,39.647 8.555,39.647 8.555,51.8 0.079,51.8 0.077,49.275
GND on Int1 [GND] "GND_L02_P1861" (solid, pour order 1861): 73.6,18.658 73.6,45.575 28.975,45.575 28.975,40.038 65.478,40.038 cw(c65.478,37.498) 68.018,37.498 68.018,17.225 73.375,17.225 ccw(c73.375,17.35) 73.5,17.35 73.6,17.35
GND on Int1 [GND] "GND_L02_P1764" (solid, pour order 1764): 58.725,46.45 58.725,18.569 70.85,18.569 70.85,46.45
PA_GND on Int1 [GND] "PA_GND_L02_P1768" (solid, pour order 1768): 0.079,52.05 8.555,52.05 8.555,39.642 25.616,39.642 25.616,21.6 0.038,21.6 0.038,22.65
GND on Int1 [GND] "GND_L02_P1849" (solid, pour order 1849): 27.525,45.425 27.525,53.15 8.625,53.15 8.625,66.95 49.25,66.95 49.25,45.425
PA_GND on Int1 [GND] "PA_GND_L02_P1853" (solid, pour order 1853): 32,25.15 32,14.48 8.855,14.48 8.855,0.124 32,0.124 32,0.074 52.75,0.074 52.75,25.15
GND on Int1 [GND] "GND_L02_P1851" (solid, pour order 1851): 49.128,45.325 80.975,45.325 80.975,49.275 72.575,49.275 72.475,49.375 58.565,49.375 cw(c58.565,51.915) 56.769,50.119 54.644,52.244 cw(c56.44,54.04) 53.9,54.04 53.9,64.125 49.128,64.125
GND on Int1 [GND] "GND_L02_P1766" (solid, pour order 1766): 84.025,31.975 84.025,51.316 ccw(c81.485,51.316) 81.485,53.856 57.59,53.856 cw(c57.59,56.396) 55.05,56.396 55.05,69.1 49.25,69.1 49.25,44.975 77.35,44.975 77.35,20.634 52.75,20.634 52.75,0.05 54.975,0.05 54.975,11.863 cw(c57.515,11.863) 57.515,14.403 79.053,14.403 ccw(c79.053,14.45) 79.1,14.45
PA_GND on Int1 [GND] "Int1 [GND]-PA_GND" (solid, pour order 1757): 35.275,38.715 35.275,42.32 36.329,42.32 36.329,38.715
PA_GND on Int1 [GND] "Int1 [GND]-PA_GND 1" (solid, pour order 1758): 17.7,39.077 17.7,42.575 19.75,42.575 19.75,39.077
PA_GND on Int1 [GND] "Int1 [GND]-PA_GND 2" (hatched 90Degree grid 0.5 track 0.3, pour order 1759): 6.9,46.025 10.45,46.025 10.45,41.8 6.9,41.8
PA_GND on Int1 [GND] "PA_GND_L02_P1761" (solid, pour order 1761): 39.325,27.325 41.511,27.325 41.511,26.237 39.325,26.237
GND on Int1 [GND] "Int1 [GND]-GND" (solid, pour order 1760): 5.7,47.807 5.7,46.675 9.573,46.675 9.573,47.825 5.7,47.825
GND on Int1 [GND] "GND_L02_P1762" (solid, pour order 1762): 71.033,21.156 55.275,21.373 55.275,14.403 79.2,14.375 81.9,17.075 81.9,24.685 83.713,26.498 83.713,32.018 80.493,32.018 77.2,28.725 77.2,21.071
GND on Int1 [GND] "GND_L02_P1767" (solid, pour order 1767): 79.2,14.375 81.485,14.375 ccw(c81.485,16.915) 84.025,16.915 84.025,27.25 79.2,27.25
GND on Int1 [GND] "GND_L02_P1763" (solid, pour order 1763): 82.096,37.498 82.096,28.55 69.674,28.55 69.674,37.498
GND on Int1 [GND] "GND_L02_P1765" (solid, pour order 1765): 83.825,31.875
SH on Int2 [shielded signals] "SH_L03_P1775" (solid, pour order 1775): 53.05,53.25 55.05,53.25 55.05,63.4 53.05,63.4
SH on Int2 [shielded signals] "SH_L03_P1770" (hatched 90Degree grid 0.6 track 0.4, pour order 1770): 39.108,49.65 44.375,49.65 44.375,54.85 39.108,54.85